# Allegro board LAY-27392_C.brd (continued)
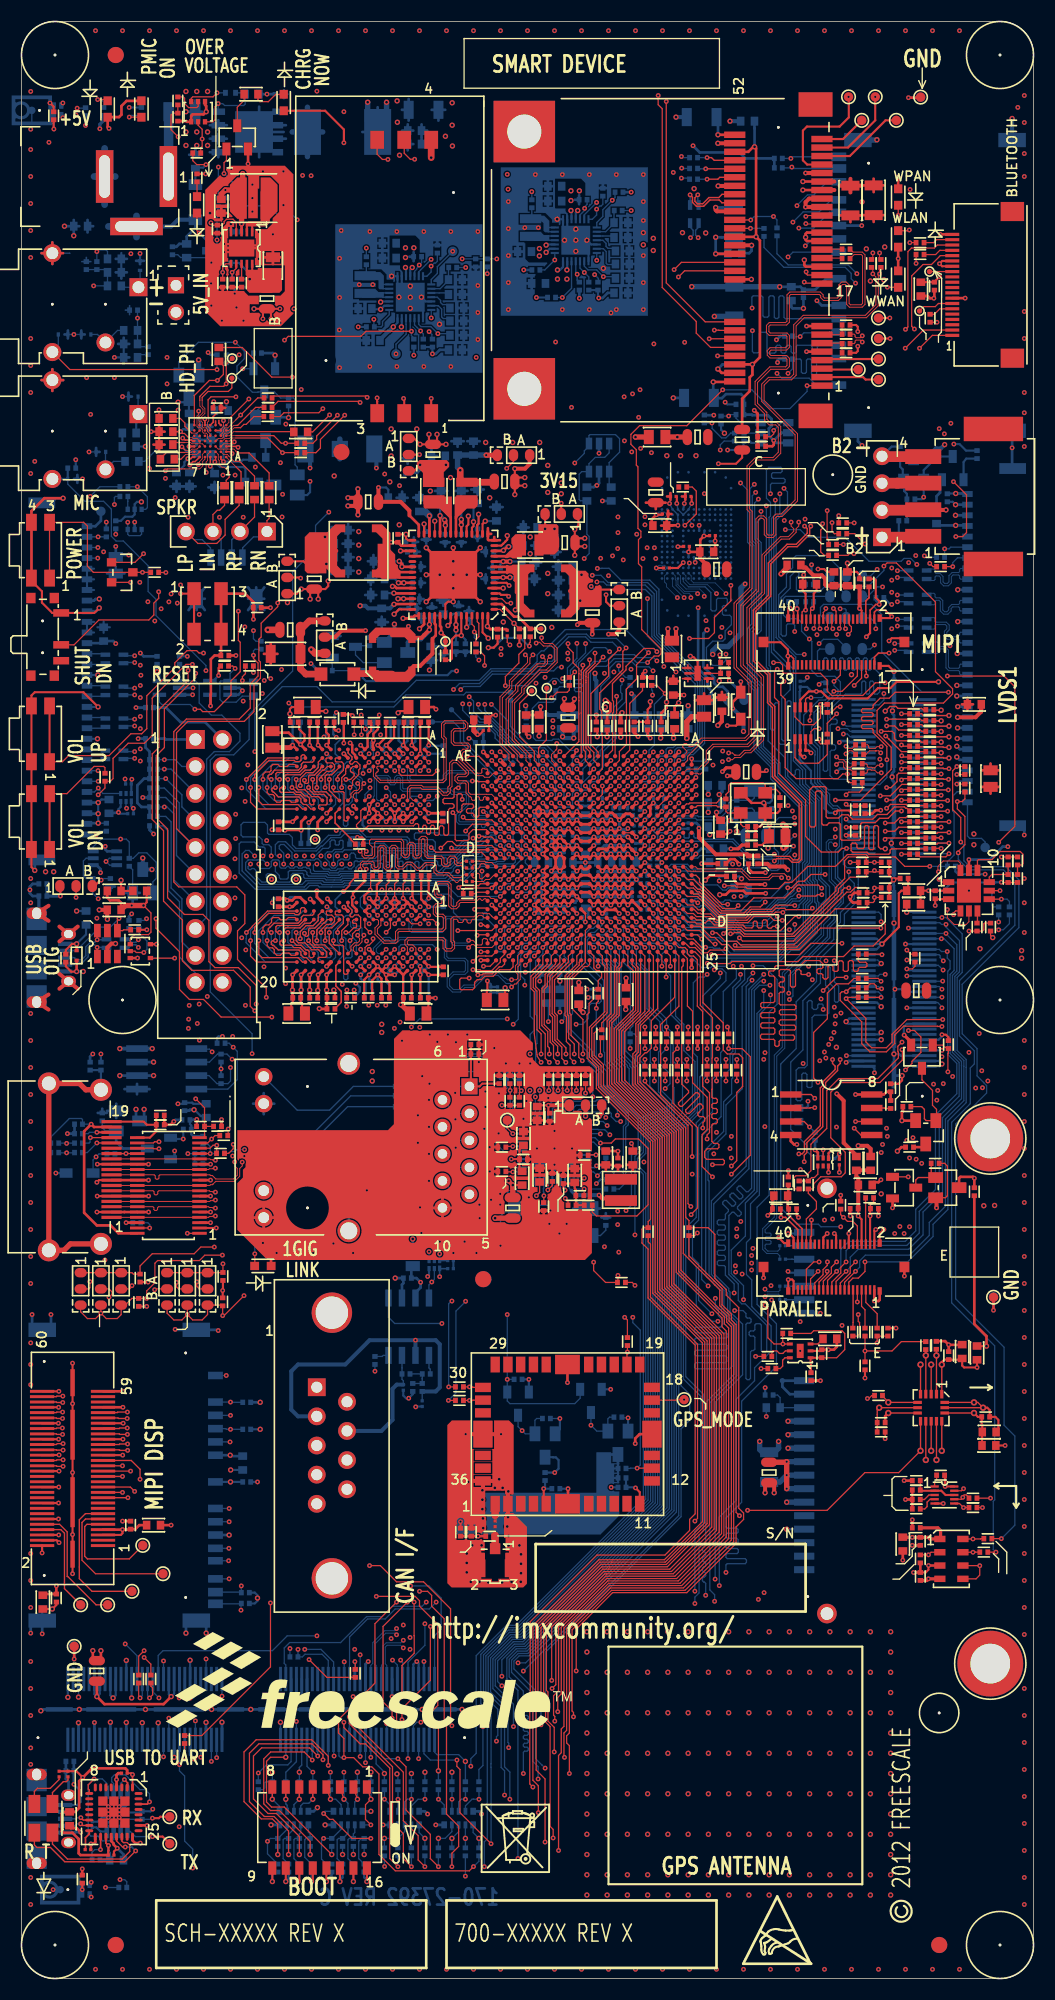
[diagram p0: board, top side]
## Routing (per net, layer and track width the routed paths; a pad name or vN(x,y) marks a point on that pad's centre or on a via; arc(x,y) is an arc through that point) (continued)
KEY_ROW5: length 139.9
  TOP w0.119: v1(21.84,122.89) 21.84,122.89 R300.1
  TOP w0.178: v1(50.67,113.01) 51.07,112.61 U1.T4
  L3_INT_1 w0.114: v1(26.67,30.99) 22.99,34.67 22.99,35.84 21.65,37.17 21.65,56.39 20.83,57.21 20.83,61.54 17.53,64.85 17.53,65.94 16.71,66.75 16.71,79.76 18.16,81.2 18.16,85.98 18.77,86.59 18.77,87.66 18.41,88.01 18.41,92.48 17.65,93.24 17.65,114.86 18.07,115.28 19.47,115.28 20.07,115.87 20.07,118.71 21.38,120.02 21.38,122.42 v1(21.84,122.89)
  L6_INT_2 w0.114: v1(43.61,119.89) 43.09,120.4 43.09,120.61 41.39,122.31 38.2,122.31 37.57,122.95 31.9,122.95 31.65,122.7 22.03,122.7 v1(21.84,122.89)
  BOTTOM w0.119: J508.81 29.38,29.8 28.19,30.99 v1(26.67,30.99) ; v1(50.67,113.01) 50.67,113.16 50.26,113.57 50.26,113.97 49.21,115.02 48.91,115.02 48.37,115.56 47.21,115.56 45.46,117.31 45.46,117.46 43.61,119.31 v1(43.61,119.89)
KEY_ROW6: length 243.4
  TOP w0.119: U1.T1 52.46,116.4 52.46,118.98 52.46,118.98 52.46,120.23 52.45,120.23 52.45,120.57 52.46,120.57 52.46,122.77 52.46,122.77 52.46,123.26 51.92,123.8 51.92,124.76 51.43,125.24 v1(51.43,125.6) ; v1(21.84,124.51) 21.84,124.21 22.28,123.77 22.28,122.55 21.54,121.82 21.54,119.53 20.52,118.51 15.54,118.51 14.35,117.32 14.35,103.17 14.81,102.72 20.27,102.72 21.03,101.96 21.03,99.26 20.35,98.58 20.35,95.88 23.05,93.18 v1(23.05,92.33) ; R209.1 v1(86.15,155.84)
  L3_INT_1 w0.114: v1(86.36,145.82) 86.36,153.8 86.15,154.01 v1(86.15,155.84) ; v1(23.05,92.33) 23.05,88.84 24.77,87.12 24.77,70.46 25.07,70.15 25.07,35.56 27.81,32.82 v1(27.81,32.26) ; v1(21.84,124.51) 24.14,124.51 25.58,123.06 25.58,121.18 27.08,119.68 35.23,119.68 35.79,120.24 40.06,120.24 40.77,119.53 41.99,119.53 42,119.53 42.32,119.53 42.59,119.79 42.59,120.1 42.9,120.41 45.02,120.41 48.64,124.03 48.64,124.54 48.87,124.77 49.38,124.77 50.22,125.6 v1(51.43,125.6) 51.43,126.05 50.9,126.58 50.9,134.5 53.21,136.81 53.21,138.57 54.98,140.33 54.98,146.22 57.5,148.74 57.51,148.74 v1(57.51,149.1)
  L6_INT_2 w0.114: v1(57.51,149.1) 59.12,147.49 62.24,147.49 64,145.73 65.49,145.73 65.95,146.19 66.54,146.19 67.01,145.72 68.55,145.72 69.44,146.61 77.93,146.61 78.51,146.02 85.04,146.02 85.24,145.82 v1(86.36,145.82)
  BOTTOM w0.119: v1(21.84,124.51) 21.84,124.92 22,125.08 R588.1 ; v1(27.81,32.26) 25.02,32.26 23.62,30.86 13.34,30.86 12.88,30.41 J508.35
KEY_ROW7: length 164.6
  TOP w0.119: v1(7.24,111.38) 7.87,112.01 R66.1 8.39,112.66 8.64,112.9 8.64,114.81 10.06,116.23 11.58,116.23 12.32,116.97 12.32,120.47 15.49,123.65 v1(16.1,123.65)
  TOP w0.178: v1(51.47,113.01) 51.87,112.61 U1.R4
  L3_INT_1 w0.114: v1(9.78,31.5) 9.78,37.59 7.37,40 7.37,59.84 7.07,60.13 7.07,65.94 5.71,67.3 5.71,91.92 9.65,95.86 9.65,99.06 9.93,99.34 9.93,105.54 7.9,107.57 7.9,110.72 v1(7.24,111.38) ; v1(51.47,113.01) 51.47,113.26 51.08,113.65 51.08,114.17 51.47,114.56 51.47,115.44 52.39,116.36 52.39,118.43 52.7,118.74 52.7,120.65 v1(54.86,122.81) ; v1(16.1,123.65) 16.67,124.21 16.67,124.99 17.72,126.05 24.17,126.05 26.67,123.55 26.67,121.72 27.76,120.62 33.93,120.62 38.1,124.79 44.15,124.79 44.5,125.15 v1(45.14,125.15)
  L6_INT_2 w0.114: v1(54.86,122.81) 54.45,123.22 53.8,123.22 53.68,123.1 52.46,123.1 52.23,123.32 51.91,123.32 51.5,122.91 49.7,122.91 49.53,123.08 47.71,123.08 45.64,125.15 v1(45.14,125.15)
  BOTTOM w0.119: v1(9.78,31.5) 10.88,30.39 J508.27
KEY_VOL_DN: length 12.1
  TOP w0.119: R66.2 7.87,113.93 7.75,114.05 6.85,114.05 4.29,111.49 SW5.3
  TOP w0.203: SW5.1 SW5.3
KEY_VOL_UP: length 74.1
  TOP w0.119: v1(17.14,124.71) 16.73,124.71 16.5,124.94 15.6,124.94 14.44,123.79 14.44,123.33 11.81,120.7 11.81,117.6 11.33,117.12 10.31,117.12 8.25,115.06 4.45,115.06 3.87,114.49 SW4.1
  TOP w0.203: SW4.3 SW4.1
  L3_INT_1 w0.114: v1(17.14,124.71) 18.02,125.59 24.24,125.59 26.42,123.42 26.42,121.6 27.69,120.33 34.06,120.33 37.74,124.02 39.43,124.02 39.98,124.56 v1(45.14,124.56)
  L6_INT_2 w0.114: v1(45.14,124.56) 45.87,124.56 47.62,122.81 49.5,122.81 49.62,122.7 51.16,122.7 51.51,122.36 55.05,122.36 55.25,122.56 55.25,122.98 55.78,123.51 v1(56.2,123.51)
  BOTTOM w0.119: R594.2 56.84,122.42 56.2,123.05 v1(56.2,123.51)
LCD_I2C_SCL: length 3.7
  TOP w0.119: R116.2 79.5,93.24 79.86,93.6 80.22,93.6 80.43,93.4 80.43,93.22 80.52,93.13 v1(80.93,93.13)
  BOTTOM w0.119: J504.31 80.65,93.34 80.86,93.13 v1(80.93,93.13)
LCD_I2C_SDA: length 3.4
  TOP w0.119: v1(80.89,92.32) 80.88,92.33 R117.2
  BOTTOM w0.119: v1(80.89,92.32) 80.9,92.33 80.9,92.58 80.64,92.84 J504.29
LD_WLAN_B: length 25.7
  TOP w0.119: D7.C 82.51,164.44 83.47,164.44 v1(83.55,164.51)
  L6_INT_2 w0.114: v1(83.55,164.51) 80.57,164.51 79.27,165.81 76.28,165.81 75.84,166.24 72.85,166.24 69.29,169.8 62.65,169.8 62.42,170.03 62.42,170.04 v1(62.13,170.33)
  BOTTOM w0.119: v1(62.13,170.33) 62.11,170.33 62.15,170.29 62.36,170.29 62.38,170.31 R506.1
LD_WPAN_B: length 24.5
  TOP w0.119: v1(82.5,165.89) D6.C
  L6_INT_2 w0.114: v1(82.5,165.89) 81.94,166.45 76.66,166.45 75.91,167.2 72.92,167.2 69.3,170.81 62.71,170.81 v1(62.1,171.42)
  BOTTOM w0.119: R504.1 62.2,171.32 v1(62.1,171.42)
LD_WWAN_B: length 27.5
  TOP w0.119: v1(81.48,159.13) 82.49,159.13 D8.C
  L6_INT_2 w0.114: v1(62.1,169.39) 63.5,169.39 63.99,168.9 65.22,168.9 65.39,169.07 68.5,169.07 71.68,165.88 71.68,163.09 72.36,162.41 74.78,162.41 78.36,158.83 81.18,158.83 v1(81.48,159.13)
  BOTTOM w0.119: v1(62.1,169.39) 62.77,169.39 R509.1
LDO_REG_FB: length 2.9
  TOP w0.119: R34.1 66.55,123.82 66.55,123.44 66.42,123.32 65.91,123.32 65.79,123.2 R35.2 U9.5
LDO_REG_IN: length 4.1
  TOP w0.152: 62.21,123.31 U9.1 62.72,123.6 ; 62.21,122.31 U9.3 62.72,122.02
  TOP w0.203: 64.54,123.6 U9.6 65.05,123.31
  TOP w0.254: C32.1 61.93,122.06 ; C32.1 61.34,122.58 ; C32.1 60.76,122.06
  vias: v1(61.59,122.94)
LDO_REG_OUT: length 7.8
  TOP w0.254: R35.1 66.54,122.18 v1(66.61,122.11) ; C33.1 65.91,121.06 ; C33.1 65.33,120.54 ; C33.1 66.5,120.54 ; R208.1 64.24,120.92 ; R208.1 63.4,120.28 ; R208.1 65.08,120.28 ; 64.54,122.02 U9.4 65.05,122.31
  BOTTOM w0.254: R598.3 68,120.73 v1(66.61,122.11)
LDO_USB_IN: length 10.9
  TOP w0.178: U1.D10 v1(61.07,108.21)
  TOP w0.381: v1(63.75,108.23) 63.75,107.37 65.34,105.78 68.31,105.78 R301.2 R302.2
  BOTTOM w0.119: v1(61.07,108.21) 61.48,108.62 62.27,108.62 62.37,108.72 C651.1
  BOTTOM w0.254: v1(63.75,108.23) 63.75,108.48 63.51,108.72 C651.1
LED_1000_O: length 25.8
  TOP w0.119: v1(21.97,68.2) 21.97,67.07 D11.A
  BOTTOM w0.127: v1(21.97,68.2) 21.97,70.1 21.21,70.87 21.21,75.44 21.97,76.2 24.13,76.2 30.99,83.06 R641.2
LED_WLAN_B: length 3.5
  TOP w0.127: J1.44 v1(64.39,170.27)
  BOTTOM w0.127: v1(64.39,170.27) 63.91,170.27 R506.2
LED_WPAN_B: length 3.6
  TOP w0.127: v1(64.52,171.32) 64.94,171.32 65.19,171.07 J1.46
  BOTTOM w0.127: v1(64.52,171.32) R504.2
LED_WWAN_B: length 3.6
  TOP w0.127: J1.42 65.71,169.47 65.53,169.29 v1(64.52,169.29)
  BOTTOM w0.127: v1(64.52,169.29) R509.2
LRCLK1: length 5.6
  TOP w0.076: U7.D3 18.53,144.91 18.89,144.91 19.03,145.04 19.03,145.27 19.16,145.4 19.53,145.4 20.04,145.91 20.19,145.91
  TOP w0.119: R13.2 21.89,146.96 21.16,146.23 20.94,146.23 20.63,145.91 20.19,145.91
LVDS0_5V: length 11.6
  BOTTOM w0.203: 6.18,127.2 J503.21 6.84,127.65 ; R582.2 9.73,132.19 ; R582.2 8.05,132.19 ; R582.2 8.89,131.55 ; R582.2 8.89,132.82 ; J503.25 6.18,132.09 ; J503.25 6.18,131.2 ; J503.25 6.84,131.65 ; 7.16,127.14 C598.1 ; C598.1 7.75,126.62 ; C598.1 7.75,127.66 ; C598.1 8.33,127.14 ; J503.26 6.18,133.09 ; J503.26 6.18,132.2 ; J503.26 6.84,132.65 ; 6.18,131.09 J503.24 6.84,130.65 ; 6.84,126.65 J503.20 6.18,127.09
  vias: v1(11.15,131.37)
LVDS0_CLK_N: length 67.2
  TOP w0.094: v1(49.07,113.01) 49.47,112.61 U1.V4
  L6_INT_2 w0.097: v1(49.07,113.01) 49.07,113.2 49.45,113.58 49.45,113.97 49.18,114.23 48.91,114.23 48.11,115.04 47.08,115.04 45.05,117.07 43.77,117.07 43.09,117.75 39.59,117.75 38.96,118.38 37.39,118.38 35.96,119.81 34.52,119.81 34.34,119.99 33.12,119.99 32.63,119.49 30.97,119.49 30.07,118.6 28.06,118.6 27.48,118.02 15.52,118.02 14.88,117.38 14.88,112.74 13.88,111.73 8.92,111.73 7.98,112.67 7.98,123.75 8.25,124.03 10.09,124.03 10.3,123.83 v1(10.67,123.83)
  BOTTOM w0.127: v1(10.67,123.83) 9.68,123.83 L515.1
LVDS0_CLK_NEG: length 1.8
  BOTTOM w0.127: J503.17 7.8,123.65 L515.2
LVDS0_CLK_P: length 67.2
  TOP w0.094: U1.V3 v1(49.07,113.81)
  L6_INT_2 w0.097: v1(49.07,113.81) 49.01,113.81 48.01,114.81 46.99,114.81 44.96,116.84 43.68,116.84 43,117.52 39.49,117.52 38.86,118.15 37.3,118.15 35.86,119.58 34.42,119.58 34.25,119.76 33.22,119.76 32.72,119.26 31.06,119.26 30.16,118.37 28.15,118.37 27.57,117.79 15.62,117.79 15.11,117.28 15.11,112.65 13.97,111.51 8.82,111.51 7.75,112.58 7.75,123.84 8.16,124.26 9.33,124.26 9.42,124.35 9.42,124.66 9.51,124.74 9.66,124.74 9.77,124.63 9.77,124.35 9.87,124.26 10.09,124.26 10.3,124.46 v1(10.67,124.46)
  BOTTOM w0.127: v1(10.67,124.46) 9.71,124.46 L515.4
LVDS0_CLK_POS: length 1.8
  BOTTOM w0.127: J503.18 7.82,124.65 L515.3
LVDS0_EDID_SCL: length 57
  TOP w0.119: v1(10.41,65.2) 10.41,65.12 10.19,64.9 R174.2
  L3_INT_1 w0.114: v1(10.41,65.2) 10.41,64.08 10.29,63.96 9.65,63.96 9.52,64.08 9.52,69.62 9.14,70 9.14,78.31 9.52,78.69 9.52,82.55 10.29,83.31 10.29,88.27 12.19,90.17 12.19,92.66 10.36,94.49 10.36,98.73 11.07,99.44 11.07,102.59 10.67,103 10.67,107.44 8.64,109.47 8.64,111.25 v1(7.24,112.65)
  BOTTOM w0.127: J503.6 v1(7.24,112.65)
LVDS0_EDID_SDA: length 54.5
  TOP w0.119: v1(14.61,65.51) 14.61,65.09 14.8,64.9 R176.2
  L3_INT_1 w0.114: v1(7.22,113.65) 9.52,111.34 9.52,110.28 9.52,110.27 9.52,109.86 11.02,108.36 11.02,103.28 12.24,102.06 12.24,100.86 11.38,100 11.38,97.94 11.99,97.33 11.99,93.42 12.55,92.86 12.55,88.62 13.59,87.58 13.59,68.58 14.61,67.56 v1(14.61,65.51)
  BOTTOM w0.127: J503.7 v1(7.22,113.65)
LVDS0_TOUCH_SCL: length 79.5
  TOP w0.119: R172.2 6.35,64.9 6.45,65 v1(6.45,65.58)
  L3_INT_1 w0.114: v1(6.45,65.58) 6.45,63.53 6.32,63.4 5.82,63.4 5.7,63.53 5.7,65.25 5.36,65.58 5.36,92.28 9.3,96.22 9.3,99.2 9.66,99.56 9.66,99.88 8.51,101.03 8.51,105.21 6.26,107.45 6.26,111.68 5.97,111.98 5.97,132.42 v1(7.2,133.65)
  BOTTOM w0.127: J503.27 v1(7.2,133.65)
LVDS0_TOUCH_SDA: length 78.9
  TOP w0.119: R177.2 16.75,64.9 16.51,65.14 v1(16.51,65.56)
  L3_INT_1 w0.114: v1(7.21,134.65) 7.82,135.26 9.65,135.26 12.07,132.84 12.07,130.45 12.7,129.82 12.7,128.52 12.17,127.99 12.17,120.7 12.43,120.44 12.43,110.16 13.44,109.15 13.44,97.41 12.62,96.6 12.62,94.46 12.88,94.21 12.88,88.7 13.97,87.6 13.97,80.81 13.96,80.81 13.96,80.48 13.97,80.48 13.97,69.57 14.87,68.67 14.87,67.2 v1(16.51,65.56)
  BOTTOM w0.127: J503.28 v1(7.21,134.65)
LVDS0_TX0_N: length 63.1
  TOP w0.094: v1(50.38,116.2) 50.38,115.69 50.3,115.6 50.3,115.59 49.88,115.17 49.88,114.85 49.91,114.82 49.91,114.57 U1.U2
  L6_INT_2 w0.097: v1(10.67,114.81) 10.3,114.81 10.09,115.01 9.92,115.01 9.75,114.84 9.75,114.33 9.91,114.17 11.43,114.17 11.81,114.55 11.81,122.12 12.07,122.38 13.22,122.38 13.45,122.15 13.45,121.1 13.54,121.01 13.74,121.01 13.83,121.1 13.83,122.15 14.06,122.38 14.45,122.38 14.68,122.15 14.68,121.1 14.77,121.01 14.97,121.01 15.06,121.1 15.06,122.15 15.29,122.38 17.9,122.38 18.16,122.12 18.16,121.34 19.74,119.75 24.02,119.75 25.49,121.23 31.91,121.23 32.41,121.73 36.7,121.73 37.65,120.78 39.5,120.78 40.19,120.1 40.84,120.1 41.37,119.56 41.37,119.56 41.43,119.51 45.21,119.51 47.12,117.6 49.02,117.6 49.53,117.09 49.53,116.78 49.82,116.49 50.1,116.49 v1(50.38,116.2)
  BOTTOM w0.127: L518.1 9.68,114.81 v1(10.67,114.81)
LVDS0_TX0_NEG: length 1.8
  BOTTOM w0.127: J503.8 7.82,114.65 L518.2
LVDS0_TX0_P: length 63.1
  TOP w0.094: U1.U1 50.27,115.04 v1(50.67,115.44)
  L6_INT_2 w0.097: v1(10.67,115.44) 10.11,115.44 9.91,115.65 9.69,115.65 9.52,115.48 9.52,114.23 9.81,113.94 11.52,113.94 12.04,114.46 12.04,122.02 12.17,122.15 13.12,122.15 13.22,122.05 13.22,121.01 13.45,120.78 13.83,120.78 14.06,121.01 14.06,122.05 14.16,122.15 14.35,122.15 14.45,122.05 14.45,121.01 14.68,120.78 15.06,120.78 15.29,121.01 15.29,122.05 15.39,122.15 17.81,122.15 17.93,122.02 17.93,121.24 19.65,119.52 24.11,119.52 25.59,121 32,121 32.5,121.5 36.61,121.5 37.55,120.55 39.41,120.55 40.09,119.87 40.74,119.87 41.28,119.33 41.28,119.33 41.33,119.28 45.12,119.28 47.02,117.37 48.92,117.37 49.3,117 49.3,116.69 50.55,115.44 v1(50.67,115.44)
  BOTTOM w0.127: L518.4 9.71,115.44 v1(10.67,115.44)
LVDS0_TX0_POS: length 1.8
  BOTTOM w0.127: J503.9 7.8,115.65 L518.3
LVDS0_TX1_N: length 61.4
  TOP w0.094: U1.U4 50.27,112.61 v1(49.87,113.01)
  L6_INT_2 w0.097: v1(49.87,113.01) 49.87,113.11 50.27,113.51 50.27,114.05 49.92,114.4 49.92,115.76 49.24,116.44 47.47,116.44 45.44,118.47 44.08,118.47 43.62,118.93 41.19,118.93 40.6,119.52 39.95,119.52 39.34,120.12 37.49,120.12 36.46,121.15 32.65,121.15 32.15,120.65 30.36,120.65 30.15,120.44 27.54,120.44 26.73,119.63 25.01,119.63 24.55,119.17 18.61,119.17 18.54,119.25 18.54,119.93 18,120.47 16.81,120.47 16.69,120.35 12.71,120.35 12.45,120.08 12.45,114.3 11.66,113.51 9.36,113.51 9.14,113.73 9.14,117.68 9.32,117.86 v1(10.67,117.86)
  BOTTOM w0.127: L517.1 9.71,117.86 v1(10.67,117.86)
LVDS0_TX1_NEG: length 1.8
  BOTTOM w0.127: J503.11 7.8,117.65 L517.2
LVDS0_TX1_P: length 61.4
  TOP w0.094: U1.U3 v1(49.87,113.81)
  L6_INT_2 w0.097: v1(10.67,118.49) 10.26,118.08 10.06,118.08 9.93,118.21 9.93,118.35 9.82,118.47 9.66,118.47 9.55,118.35 9.55,118.17 9.46,118.08 9.23,118.08 8.92,117.77 8.92,113.64 9.27,113.28 11.75,113.28 12.67,114.21 12.67,119.99 12.8,120.12 16.78,120.12 16.91,120.24 17.91,120.24 18.31,119.84 18.31,119.15 18.52,118.95 24.65,118.95 25.11,119.4 26.82,119.4 27.63,120.21 30.25,120.21 30.45,120.42 32.24,120.42 32.74,120.92 36.37,120.92 37.4,119.89 39.25,119.89 39.85,119.29 40.5,119.29 41.09,118.7 43.53,118.7 43.99,118.24 45.34,118.24 47.37,116.21 49.15,116.21 49.69,115.66 49.69,114.3 49.87,114.13 v1(49.87,113.81)
  BOTTOM w0.127: L517.4 9.68,118.49 v1(10.67,118.49)
LVDS0_TX1_POS: length 1.8
  BOTTOM w0.127: J503.12 7.83,118.65 L517.3
LVDS0_TX2_N: length 62.1
  TOP w0.094: v1(49.07,114.61) U1.V2
  L6_INT_2 w0.097: v1(49.07,114.61) 49.07,114.87 49.45,115.25 49.45,115.57 49.22,115.79 47.22,115.79 45.27,117.74 43.91,117.74 43.33,118.33 39.84,118.33 39.21,118.96 37.63,118.96 36.2,120.39 34.76,120.39 34.58,120.57 32.89,120.57 32.39,120.07 30.6,120.07 30.39,119.86 27.91,119.86 26.64,118.6 15.28,118.6 14.31,117.62 14.31,117.14 14.31,113.08 13.62,112.39 9.33,112.39 8.56,113.16 8.56,119.2 8.76,119.4 8.76,119.94 8.56,120.14 8.56,120.78 8.77,120.98 10.09,120.98 10.3,120.78 v1(10.67,120.78)
  BOTTOM w0.127: v1(10.67,120.78) 9.63,120.78 L516.1
LVDS0_TX2_NEG: length 1.8
  BOTTOM w0.127: J503.14 7.8,120.65 L516.2
LVDS0_TX2_P: length 62.1
  TOP w0.094: U1.V1 v1(49.07,115.41)
  L6_INT_2 w0.097: v1(10.67,121.41) 10.3,121.41 10.09,121.21 9.87,121.21 9.77,121.31 9.77,121.59 9.67,121.69 9.53,121.69 9.42,121.59 9.42,121.31 9.33,121.21 8.67,121.21 8.34,120.87 8.34,120.05 8.53,119.85 8.53,119.49 8.34,119.3 8.34,113.06 9.23,112.17 13.71,112.17 14.53,112.99 14.53,117.23 14.53,117.52 15.38,118.37 26.74,118.37 28.01,119.63 30.49,119.63 30.69,119.84 32.48,119.84 32.98,120.34 34.48,120.34 34.66,120.16 36.1,120.16 37.54,118.73 39.11,118.73 39.74,118.1 43.24,118.1 43.82,117.52 45.17,117.52 47.13,115.56 48.92,115.56 v1(49.07,115.41)
  BOTTOM w0.127: v1(10.67,121.41) 9.76,121.41 L516.4
LVDS0_TX2_POS: length 1.8
  BOTTOM w0.127: J503.15 7.82,121.65 L516.3
LVDS1_5V: length 9.6
  TOP w0.254: R68.2 92.02,113.68 ; R68.2 91.19,114.32 ; R68.2 90.35,113.68 ; C34.1 89.01,120.47 ; C34.1 89.01,119.3 ; C34.1 89.53,119.89 ; C34.1 88.49,119.89
  BOTTOM w0.254: J502.25 88.29,115.67 v2(88.01,115.95) ; J502.21 v2(88.1,119.67) ; J502.26 88.27,114.67 v2(88.01,114.94) ; J502.20 v2(88.01,120.67) ; J502.24 v2(88.05,116.67)
LVDS1_CLK_N: length 58.5
  TOP w0.094: U1.Y3 v1(47.47,113.81)
  L3_INT_1 w0.097: v1(51.41,124.71) 51.28,124.59 50.52,124.59 49.86,123.93 49.24,123.93 46.42,121.1 46.42,116.52 47.63,115.31 47.63,113.97 v1(47.47,113.81)
  L6_INT_2 w0.097: v1(51.41,124.71) 51.74,124.71 51.86,124.59 52.97,124.59 53.91,125.53 55.64,125.53 55.94,125.83 58.58,125.83 58.66,125.91 61.61,125.91 62.49,125.03 63.21,125.03 64.17,124.07 64.17,124.07 64.75,123.5 66.55,123.5 66.89,123.84 67.45,124.4 69.89,124.4 70.64,125.15 70.64,126.58 70.54,126.68 70.17,126.68 69.94,126.91 69.94,127.25 70.17,127.48 70.54,127.48 70.64,127.58 70.64,128.87 71.33,129.57 72.83,129.57 73.61,130.34 78.31,130.34 79.76,128.9 79.76,126.97 80.33,126.4 80.46,126.4 80.65,126.59 80.79,126.59 80.9,126.48 80.9,126.34 80.71,126.15 80.71,126.01 81.27,125.45 82.02,125.45 v1(82.17,125.6)
  BOTTOM w0.127: L514.1 83.46,125.6 v1(82.17,125.6)
LVDS1_CLK_NEG: length 6.3
  BOTTOM w0.094: L514.2 85.32,125.76 86.18,125.76 86.27,125.67 86.27,125.43 86.36,125.34 86.88,125.34 87.22,124.99 87.22,124.7 87.22,124.7 87.22,123.41 87.35,123.29 88.18,123.29 88.28,123.38 88.28,123.58 88.37,123.67 J502.17
LVDS1_CLK_P: length 58.5
  TOP w0.094: U1.Y4 v1(48.27,113.01)
  L3_INT_1 w0.097: v1(48.27,113.01) 47.85,113.42 47.85,115.41 46.65,116.62 46.65,121.01 49.34,123.7 49.95,123.7 50.59,124.33 51.23,124.33 v1(51.44,124.13)
  L6_INT_2 w0.097: v1(82.17,124.97) 81.91,125.22 81.18,125.22 80.99,125.41 80.92,125.48 79.53,126.87 79.53,128.8 78.22,130.11 73.7,130.11 72.92,129.34 71.42,129.34 70.87,128.78 70.87,127.49 70.64,127.26 70.26,127.26 70.17,127.16 70.17,127 70.26,126.9 70.64,126.9 70.87,126.67 70.87,125.05 69.99,124.17 67.54,124.17 67.12,123.74 67.12,123.74 66.64,123.27 64.65,123.27 64.08,123.84 63.11,124.81 62.39,124.81 61.51,125.68 58.75,125.68 58.67,125.6 56.03,125.6 55.74,125.31 54.01,125.31 53.06,124.36 51.89,124.36 51.66,124.13 v1(51.44,124.13)
  BOTTOM w0.127: v1(82.17,124.97) 83.33,124.97 L514.4
LVDS1_CLK_POS: length 6.3
  BOTTOM w0.094: L514.3 85.32,124.68 86.18,124.68 86.27,124.78 86.27,125.01 86.36,125.11 86.79,125.11 87,124.9 87,124.79 86.99,123.32 87.25,123.06 88.18,123.06 88.28,122.96 88.28,122.77 88.37,122.67 J502.18
LVDS1_EDID_SCL: length 3
  BOTTOM w0.119: J502.6 87.44,134.67 87.28,134.52 v1(86.87,134.52) 86.87,133.73 R580.2
LVDS1_EDID_SDA: length 2.7
  TOP w0.119: R23.2 v1(87.63,132.84)
  BOTTOM w0.119: v1(87.63,132.84) 87.63,133.22 88.08,133.67 J502.7
LVDS1_TOUCH_SCL: length 1.9
  TOP w0.119: R63.2 v1(88.02,113.29)
  BOTTOM w0.127: J502.27 88.4,113.67 v1(88.02,113.29)
LVDS1_TOUCH_SDA: length 1.9
  TOP w0.119: R71.2 v1(88.02,112.39)
  BOTTOM w0.127: J502.28 88.29,112.67 88.02,112.4 v1(88.02,112.39)
LVDS1_TX0_N: length 58.5
  TOP w0.094: v1(48.95,126.16) 48.93,126.14 48.93,125.89 49.22,125.61 49.99,125.61 50.42,125.17 50.42,123.83 49.48,122.89 48.85,122.89 47.3,121.35 47.3,120.91 46.41,120.02 46.41,116.64 46.56,116.5 46.56,116.48 47.87,115.18 U1.Y1
  L6_INT_2 w0.097: v1(48.95,126.16) 48.95,125.91 48.94,125.9 48.94,125.88 49.12,125.7 49.22,125.7 49.4,125.89 49.4,126.36 49.28,126.49 49.28,127.39 49.66,127.77 51.85,127.77 52.07,127.99 52.1,127.99 52.1,127.99 52.6,127.99 52.88,127.71 59.83,127.71 60.36,128.24 62.46,128.24 64.1,126.61 64.89,125.81 66.4,125.81 67.31,126.72 67.31,128.02 69.92,130.63 69.93,130.63 70.61,131.3 71.77,131.3 72.89,132.43 72.9,132.43 73.41,132.94 73.78,132.94 74.64,132.08 78.77,132.08 78.87,132.18 78.87,132.39 78.96,132.49 79.12,132.49 79.22,132.39 79.22,132.18 79.31,132.08 79.47,132.08 79.57,132.18 79.57,132.39 79.67,132.49 79.82,132.49 79.92,132.39 79.92,132.18 80.02,132.08 80.96,132.08 81.19,132.31 82.04,132.31 82.19,132.46 v1(82.42,132.46)
  BOTTOM w0.127: L511.1 83.46,132.46 v1(82.42,132.46)
LVDS1_TX0_NEG: length 5.9
  BOTTOM w0.094: L511.2 85.32,132.62 85.87,132.62 85.97,132.53 85.97,132.29 86.06,132.19 86.44,132.19 86.72,131.92 86.72,131.41 86.86,131.27 87.13,131.27 87.27,131.41 87.27,132 87.56,132.29 88.18,132.29 88.28,132.38 88.28,132.58 88.37,132.67 J502.8
LVDS1_TX0_P: length 58.5
  TOP w0.094: v1(48.44,125.65) 48.52,125.73 48.77,125.73 49.12,125.38 49.89,125.38 50.19,125.08 50.19,123.92 49.39,123.12 48.75,123.12 47.07,121.44 47.07,121.01 46.18,120.12 46.18,116.53 46.33,116.38 46.33,116.38 47.48,115.23 47.48,114.6 U1.Y2
  L6_INT_2 w0.097: v1(48.44,125.65) 48.52,125.73 48.77,125.73 49.02,125.48 49.32,125.48 49.63,125.79 49.63,126.46 49.51,126.58 49.51,127.29 49.75,127.54 51.95,127.54 52.17,127.76 52.19,127.76 52.2,127.76 52.5,127.76 52.79,127.48 59.92,127.48 60.46,128.02 62.36,128.02 63.87,126.51 64.8,125.58 66.49,125.58 67.54,126.62 67.54,127.92 70.01,130.4 70.03,130.4 70.7,131.07 71.86,131.07 72.99,132.2 72.99,132.2 73.51,132.71 73.69,132.71 74.55,131.85 81.05,131.85 81.28,132.08 82.04,132.08 82.3,131.83 v1(82.42,131.83)
  BOTTOM w0.127: L511.4 83.33,131.83 v1(82.42,131.83)
LVDS1_TX0_POS: length 5.9
  BOTTOM w0.094: J502.9 88.37,131.67 88.28,131.77 88.28,131.96 88.18,132.06 87.66,132.06 87.5,131.9 87.5,131.32 87.22,131.04 86.77,131.04 86.49,131.32 86.49,131.83 86.35,131.97 86.06,131.97 85.97,131.87 85.97,131.63 85.87,131.54 85.32,131.54 L511.3
LVDS1_TX1_N: length 54.2
  TOP w0.094: U1.AA2 46.65,114.62 46.65,115.17 45.82,116 45.61,116.22 45.61,120.36 46.5,121.25 46.5,121.68 48.51,123.7 49.15,123.7 49.28,123.83 49.28,124.14 v1(49.03,124.38)
  L6_INT_2 w0.097: v1(49.03,124.38) 49.27,124.62 49.27,124.82 50.04,125.59 50.04,126.36 50.68,127 52.48,127 52.61,127.13 55.47,127.13 60.07,127.13 60.6,127.67 62.22,127.67 63.52,126.37 64.65,125.23 64.65,125.23 66.16,125.23 66.64,125.23 68.13,126.72 68.13,128 70.85,130.72 72.35,130.72 73.13,131.5 79.45,131.5 80.91,130.04 82.05,130.04 82.19,130.18 v1(82.42,130.18)
  BOTTOM w0.127: v1(82.42,130.18) 83.46,130.18 L512.1
LVDS1_TX1_NEG: length 6
  BOTTOM w0.094: J502.11 88.37,129.67 88.28,129.58 88.28,129.38 88.18,129.29 87.54,129.29 87.25,129 87.25,128.77 87.08,128.6 86.86,128.6 86.69,128.77 86.69,129.65 86.44,129.91 86.06,129.91 85.97,130 85.97,130.24 85.87,130.33 85.32,130.33 L512.2
LVDS1_TX1_P: length 54.2
  TOP w0.094: U1.AA1 46.88,115.19 46.88,115.27 45.84,116.31 45.84,120.26 46.72,121.15 46.72,121.59 48.61,123.47 49.24,123.47 49.5,123.73 49.5,124.14 v1(49.75,124.38)
  L6_INT_2 w0.097: v1(49.75,124.38) 49.5,124.63 49.5,124.73 50.27,125.5 50.27,126.27 50.77,126.77 52.58,126.77 52.7,126.9 55.37,126.9 55.37,126.9 60.16,126.9 60.7,127.44 62.12,127.44 63.29,126.27 64.49,125.07 64.56,125 65.04,125 66.73,125 68.36,126.62 68.36,127.91 70.94,130.5 72.44,130.5 73.22,131.27 79.35,131.27 80.82,129.81 81.04,129.81 81.15,129.69 81.15,129.18 81.25,129.08 81.4,129.08 81.5,129.18 81.5,129.68 81.63,129.81 82.03,129.81 82.3,129.54 v1(82.42,129.54)
  BOTTOM w0.127: v1(82.42,129.54) 83.33,129.54 L512.4
LVDS1_TX1_POS: length 6
  BOTTOM w0.094: J502.12 88.37,128.67 88.28,128.77 88.28,128.96 88.18,129.06 87.63,129.06 87.48,128.91 87.48,128.68 87.17,128.37 86.77,128.37 86.46,128.68 86.46,129.56 86.34,129.68 86.06,129.68 85.97,129.59 85.97,129.35 85.87,129.25 85.32,129.25 L512.3
LVDS1_TX2_N: length 58.1
  TOP w0.094: U1.AB1 46.27,115.12 45.26,116.13 45.26,120.5 46.15,121.39 46.15,122.02 47.85,123.73 47.85,124.26 v1(48.14,124.55)
  L6_INT_2 w0.097: v1(48.14,124.55) 47.85,124.26 47.85,123.83 48.01,123.67 49.82,123.67 50.13,123.99 50.13,124.5 50.62,124.98 50.62,125.8 51.18,126.36 53.31,126.36 53.56,126.11 55.4,126.11 55.78,126.49 56.26,126.49 56.26,126.49 61.85,126.49 62.73,125.61 63.45,125.61 64.41,124.65 64.41,124.65 64.99,124.08 66.31,124.08 68.71,126.48 68.71,127.76 71.09,130.14 72.59,130.14 73.37,130.92 78.91,130.92 80.34,129.49 80.34,127.85 80.56,127.63 80.79,127.63 80.88,127.73 80.88,128.26 80.98,128.36 81.14,128.36 81.23,128.26 81.23,127.73 81.33,127.63 82.04,127.63 82.3,127.89 v1(82.42,127.89)
  BOTTOM w0.127: v1(82.42,127.89) 83.46,127.89 L513.1
LVDS1_TX2_NEG: length 5.9
  BOTTOM w0.094: L513.2 85.32,128.05 85.87,128.05 85.97,127.95 85.97,127.72 86.06,127.62 87.03,127.62 87.3,127.35 87.3,126.9 87.17,126.76 87.17,126.76 87.07,126.67 87.07,126.38 87.22,126.24 88.1,126.24 88.28,126.42 88.28,126.58 88.37,126.67 J502.14
LVDS1_TX2_P: length 58.1
  TOP w0.094: U1.AB2 45.88,114.6 45.88,115.19 45.03,116.04 45.03,120.6 45.92,121.48 45.92,122.12 47.62,123.83 47.62,124.34 v1(47.42,124.55)
  L6_INT_2 w0.097: v1(82.42,127.25) 82.19,127.25 82.04,127.41 80.47,127.41 80.11,127.76 80.11,129.39 78.81,130.69 73.46,130.69 72.68,129.92 71.18,129.92 68.94,127.67 68.94,126.38 66.4,123.85 64.89,123.85 64.32,124.42 63.36,125.39 62.63,125.39 61.75,126.26 56.17,126.26 55.88,126.26 55.5,125.88 53.47,125.88 53.22,126.14 51.28,126.14 50.85,125.71 50.85,124.89 50.8,124.84 50.74,124.78 50.36,124.4 50.36,123.89 49.91,123.44 47.91,123.44 47.62,123.73 47.62,124.34 v1(47.42,124.55)
  BOTTOM w0.127: L513.4 83.33,127.25 v1(82.42,127.25)
LVDS1_TX2_POS: length 5.9
  BOTTOM w0.094: J502.15 88.35,125.67 88.28,125.74 88.28,125.94 88.21,126.01 87.12,126.01 86.84,126.29 86.84,126.76 87.07,126.99 87.07,127.25 86.93,127.39 86.06,127.39 85.97,127.3 85.97,127.06 85.87,126.97 85.32,126.97 L513.3
LVDS_2V5: length 2.9
  TOP w0.178: U1.V7 v1(49.07,110.61)
  TOP w0.254: C39.1 47.5,117.09 v2(47.75,116.84)
  BOTTOM w0.254: v1(49.07,110.61) 49.31,110.37 C632.1 ; R600.2 47.5,117.09 v2(47.75,116.84)
MCLK_1V8: length 2.8
  TOP w0.119: U15.4 74.94,75.69 74.62,75.37 74.36,75.37 R159.2 R158.2
MECHPAD: length 17.8
  BOTTOM w0.254: CON500.6 17.27,129.82 ; CON500.6 15.74,130.89 ; CON500.6 15.74,129.82 ; CON500.6 15.74,128.76 ; CON500.6 17.27,130.89 ; CON500.6 17.27,128.76 ; CON500.6 16.5,128.76 ; CON500.6 16.5,130.89 ; CON500.5 22.1,130.89 ; CON500.5 21.34,129.82 ; CON500.5 22.87,129.82 ; CON500.5 22.87,130.89 ; CON500.5 21.34,128.76 ; CON500.5 22.87,128.76 ; CON500.5 21.34,130.89 ; CON500.5 22.1,128.76